# KiCad board main_panel.kicad_pcb (continued)
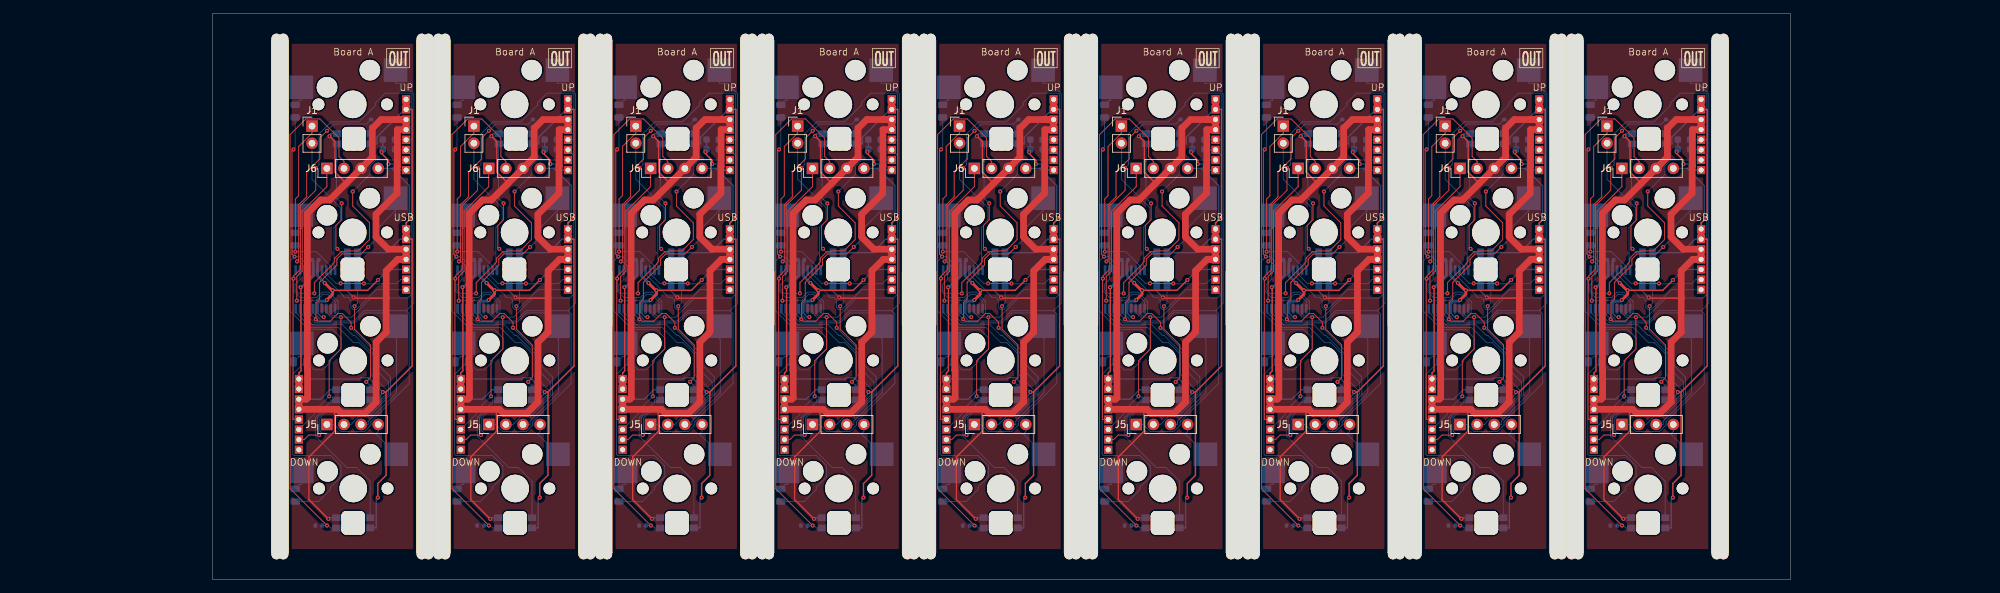
[diagram p0: board, top side]
## Routing (per net, layer and track width the routed paths; a pad name or vN(x,y) marks a point on that pad's centre or on a via; arc(x,y) is an arc through that point) (continued)
/SW2: length 493.7
  Top w0.13: 39.34,38.61 39.34,41.08 39.89,41.63 39.89,44.1 42.44,46.66 42.44,47.55 43.22,48.33 46.06,48.33 v1(47.09,49.35) ; 39.34,38.61 39.62,38.33 41.44,38.33 42.57,39.47 43.25,39.47 44.56,38.16 v1(44.56,37.36) ; 39.34,38.61 v1(39.3,38.61) ; v1(167.09,49.35) 166.06,48.33 163.22,48.33 162.44,47.55 162.44,46.66 159.88,44.1 159.88,41.63 159.34,41.08 159.34,38.61 ; v1(95.09,49.35) 94.06,48.33 91.22,48.33 90.44,47.55 90.44,46.66 87.89,44.1 87.89,41.63 87.34,41.08 87.34,38.61 ; 111.34,38.61 v1(111.3,38.61) ; 111.34,38.61 111.34,41.08 111.88,41.63 111.88,44.1 114.44,46.66 114.44,47.55 115.22,48.33 118.06,48.33 v1(119.09,49.35) ; 111.34,38.61 111.62,38.33 113.44,38.33 114.57,39.47 115.25,39.47 116.56,38.16 v1(116.56,37.36) ; 87.34,38.61 87.62,38.33 89.44,38.33 90.57,39.47 91.25,39.47 92.56,38.16 v1(92.56,37.36) ; 87.34,38.61 v1(87.3,38.61) ; 159.34,38.61 159.62,38.33 161.44,38.33 162.57,39.47 163.25,39.47 164.56,38.16 v1(164.56,37.36) ; 159.34,38.61 v1(159.3,38.61) ; 63.34,38.61 63.62,38.33 65.44,38.33 66.57,39.47 67.25,39.47 68.56,38.16 v1(68.56,37.36) ; 63.34,38.61 63.34,41.08 63.89,41.63 63.89,44.1 66.44,46.66 66.44,47.55 67.22,48.33 70.06,48.33 v1(71.09,49.35) ; 63.34,38.61 v1(63.3,38.61) ; 183.34,38.61 183.62,38.33 185.44,38.33 186.57,39.47 187.25,39.47 188.56,38.16 v1(188.56,37.36) ; 183.34,38.61 183.34,41.08 183.88,41.63 183.88,44.1 186.44,46.66 186.44,47.55 187.22,48.33 190.06,48.33 v1(191.09,49.35) ; 183.34,38.61 v1(183.3,38.61) ; 15.34,38.61 15.62,38.33 17.44,38.33 18.57,39.47 19.25,39.47 20.56,38.16 v1(20.56,37.36) ; 15.34,38.61 v1(15.3,38.61) ; 15.34,38.61 15.34,41.08 15.88,41.63 15.88,44.1 18.45,46.66 18.45,47.55 19.22,48.33 22.06,48.33 v1(23.09,49.35) ; v1(140.56,37.36) 140.56,38.16 139.25,39.47 138.57,39.47 137.44,38.33 135.62,38.33 135.34,38.61 ; v1(212.56,37.36) 212.56,38.16 211.25,39.47 210.57,39.47 209.44,38.33 207.62,38.33 207.34,38.61 ; 207.34,38.61 v1(207.3,38.61) ; 207.34,38.61 207.34,41.08 207.88,41.63 207.88,44.1 210.44,46.66 210.44,47.55 211.22,48.33 214.06,48.33 v1(215.09,49.35) ; 135.34,38.61 v1(135.3,38.61) ; 135.34,38.61 135.34,41.08 135.88,41.63 135.88,44.1 138.44,46.66 138.44,47.55 139.22,48.33 142.06,48.33 v1(143.09,49.35)
  Bottom w0.13: v1(207.3,38.61) 206.28,39.63 U1#2.7 ; SW2#2.1 123.15,54.64 123.02,54.64 120.19,51.82 120.19,50.46 v1(119.09,49.35) ; v1(111.3,38.61) 110.28,39.63 U1#5.7 ; SW2#4.1 51.14,54.64 51.02,54.64 48.19,51.82 48.19,50.46 v1(47.09,49.35) ; J5#5.2 188.55,23.01 189.71,24.18 191.14,24.18 194.4,27.43 194.4,30.05 192.39,32.06 192.39,33.53 v1(188.56,37.36) ; SW2#5.1 147.15,54.64 147.02,54.64 144.19,51.82 144.19,50.46 v1(143.09,49.35) ; U1#7.7 158.28,39.63 v1(159.3,38.61) ; J5#9.2 20.55,23.01 21.71,24.18 23.14,24.18 26.4,27.43 26.4,30.05 24.39,32.06 24.39,33.53 v1(20.56,37.36) ; v1(15.3,38.61) 14.28,39.63 U1#8.7 ; J5#7.2 68.55,23.01 69.71,24.18 71.14,24.18 74.4,27.43 74.4,30.05 72.39,32.06 72.39,33.53 v1(68.56,37.36) ; v1(87.3,38.61) 86.28,39.63 86.28,40.18 ; SW2#3.1 171.15,54.64 171.02,54.64 168.19,51.82 168.19,50.46 v1(167.09,49.35) ; v1(212.56,37.36) 216.39,33.53 216.39,32.06 218.4,30.05 218.4,27.43 215.14,24.18 213.71,24.18 212.55,23.01 J5.2 ; J5#3.2 164.55,23.01 165.71,24.18 167.14,24.18 170.4,27.43 170.4,30.05 168.39,32.06 168.39,33.53 v1(164.56,37.36) ; J5#6.2 92.55,23.01 93.71,24.18 95.14,24.18 98.4,27.43 98.4,30.05 96.39,32.06 96.39,33.53 v1(92.56,37.36) ; v1(135.3,38.61) 134.28,39.63 U1#9.7 ; v1(95.09,49.35) 96.19,50.46 96.19,51.82 99.02,54.64 99.15,54.64 SW2#8.1 ; 62.28,40.18 62.28,39.63 v1(63.3,38.61) ; v1(44.56,37.36) 48.39,33.53 48.39,32.06 50.4,30.05 50.4,27.43 47.14,24.18 45.71,24.18 44.55,23.01 J5#2.2 ; v1(215.09,49.35) 216.19,50.46 216.19,51.82 219.02,54.64 219.15,54.64 SW2#7.1 ; U1#6.7 182.28,39.63 v1(183.3,38.61) ; v1(140.56,37.36) 144.39,33.53 144.39,32.06 146.4,30.05 146.4,27.43 143.14,24.18 141.71,24.18 140.55,23.01 J5#8.2 ; 38.28,40.18 38.28,39.63 v1(39.3,38.61) ; v1(116.56,37.36) 120.39,33.53 120.39,32.06 122.4,30.05 122.4,27.43 119.14,24.18 117.71,24.18 116.55,23.01 J5#4.2 ; SW2.1 195.15,54.64 195.02,54.64 192.19,51.82 192.19,50.46 v1(191.09,49.35) ; v1(71.09,49.35) 72.19,50.46 72.19,51.82 75.02,54.64 75.14,54.64 SW2#9.1 ; SW2#6.1 27.15,54.64 27.02,54.64 24.19,51.82 24.19,50.46 v1(23.09,49.35)
/SW3: length 302.7
  Bottom w0.13: J5#7.3 71.09,23.01 71.09,23.49 75.29,27.69 75.29,35.58 75.22,35.64 SW3#4.1 73.25,39.57 70.51,39.57 69.03,38.08 63.13,38.08 61.64,39.58 U1#4.8 ; U1#9.8 133.63,39.58 135.13,38.08 141.03,38.08 142.51,39.57 145.25,39.57 SW3#9.1 147.22,35.64 147.29,35.58 147.29,27.69 143.09,23.49 143.09,23.01 J5#8.3 ; U1.8 37.64,39.58 39.13,38.08 45.03,38.08 46.51,39.57 49.25,39.57 SW3#6.1 51.22,35.64 51.29,35.58 51.29,27.69 47.09,23.49 47.09,23.01 J5#2.3 ; J5#9.3 23.09,23.01 23.09,23.49 27.29,27.69 27.29,35.58 27.23,35.64 SW3#8.1 25.25,39.57 22.51,39.57 21.03,38.08 15.13,38.08 13.63,39.58 U1#8.8 ; U1#7.8 157.63,39.58 159.13,38.08 165.03,38.08 166.51,39.57 169.25,39.57 SW3#7.1 171.22,35.64 171.29,35.58 171.29,27.69 167.09,23.49 167.09,23.01 J5#3.3 ; J5#4.3 119.09,23.01 119.09,23.49 123.29,27.69 123.29,35.58 123.22,35.64 SW3#3.1 121.25,39.57 118.51,39.57 117.03,38.08 111.13,38.08 109.63,39.58 U1#5.8 ; J5#6.3 95.09,23.01 95.09,23.49 99.29,27.69 99.29,35.58 99.22,35.64 SW3#2.1 97.25,39.57 94.51,39.57 93.03,38.08 87.13,38.08 85.64,39.58 U1#3.8 ; J5.3 215.09,23.01 215.09,23.49 219.29,27.69 219.29,35.58 219.22,35.64 SW3.1 217.25,39.57 214.51,39.57 213.03,38.08 207.13,38.08 205.63,39.58 U1#2.8 ; U1#6.8 181.63,39.58 183.13,38.08 189.03,38.08 190.51,39.57 193.25,39.57 SW3#5.1 195.22,35.64 195.29,35.58 195.29,27.69 191.09,23.49 191.09,23.01 J5#5.3
/SW4: length 438.2
  Bottom w0.13: SW4#4.1 120.22,21.6 ; 120.22,21.6 120.58,21.96 J5#4.4 ; 120.22,21.6 120.16,21.66 112.33,21.66 111.91,22.08 111.91,23.98 112.84,24.9 119.49,24.9 122.08,27.49 122.08,29.28 119.86,31.51 119.86,33.46 117.08,36.23 116.86,36.23 115.27,37.82 110.83,37.82 108.99,39.67 U1#5.9 ; U1#3.9 84.98,39.67 86.83,37.82 91.27,37.82 92.86,36.23 93.08,36.23 95.86,33.46 95.86,31.51 98.08,29.28 98.08,27.49 95.49,24.9 88.84,24.9 87.91,23.98 87.91,22.08 88.33,21.66 96.16,21.66 96.22,21.6 ; 72.22,21.6 72.58,21.96 J5#7.4 ; 72.22,21.6 72.16,21.66 64.33,21.66 63.91,22.08 63.91,23.98 64.84,24.9 71.49,24.9 74.08,27.49 74.08,29.28 71.86,31.51 71.86,33.46 69.08,36.23 68.86,36.23 67.27,37.82 62.83,37.82 60.98,39.67 U1#4.9 ; 72.22,21.6 SW4#5.1 ; SW4#6.1 48.22,21.6 ; 48.22,21.6 48.58,21.96 J5#2.4 ; 48.22,21.6 48.16,21.66 40.33,21.66 39.91,22.08 39.91,23.98 40.84,24.9 47.49,24.9 50.08,27.49 50.08,29.28 47.86,31.51 47.86,33.46 45.08,36.23 44.86,36.23 43.27,37.82 38.83,37.82 36.98,39.67 U1.9 ; 144.22,21.6 144.58,21.96 J5#8.4 ; 144.22,21.6 144.16,21.66 136.33,21.66 135.91,22.08 135.91,23.98 136.84,24.9 143.49,24.9 146.08,27.49 146.08,29.28 143.86,31.51 143.86,33.46 141.08,36.23 140.86,36.23 139.27,37.82 134.83,37.82 132.99,39.67 U1#9.9 ; 144.22,21.6 SW4#2.1 ; J5#6.4 96.58,21.96 96.22,21.6 ; 96.22,21.6 SW4#3.1 ; SW4.1 216.22,21.6 ; 216.22,21.6 216.58,21.96 J5.4 ; 216.22,21.6 216.16,21.66 208.33,21.66 207.91,22.08 207.91,23.98 208.84,24.9 215.49,24.9 218.08,27.49 218.08,29.28 215.86,31.51 215.86,33.46 213.08,36.23 212.86,36.23 211.27,37.82 206.83,37.82 204.99,39.67 U1#2.9 ; J5#9.4 24.58,21.96 24.22,21.6 ; U1#6.9 180.99,39.67 182.83,37.82 187.27,37.82 188.86,36.23 189.08,36.23 191.86,33.46 191.86,31.51 194.08,29.28 194.08,27.49 191.49,24.9 184.84,24.9 183.91,23.98 183.91,22.08 184.33,21.66 192.16,21.66 192.22,21.6 ; U1#7.9 156.99,39.67 158.83,37.82 163.27,37.82 164.86,36.23 165.08,36.23 167.86,33.46 167.86,31.51 170.08,29.28 170.08,27.49 167.49,24.9 160.84,24.9 159.91,23.98 159.91,22.08 160.33,21.66 168.16,21.66 168.22,21.6 ; 192.22,21.6 SW4#9.1 ; 192.22,21.6 192.58,21.96 J5#5.4 ; U1#8.9 12.98,39.67 14.83,37.82 19.27,37.82 20.86,36.23 21.08,36.23 23.86,33.46 23.86,31.51 26.08,29.28 26.08,27.49 23.49,24.9 16.84,24.9 15.91,23.98 15.91,22.08 16.33,21.66 24.16,21.66 24.22,21.6 ; SW4#7.1 24.22,21.6 ; SW4#8.1 168.22,21.6 ; 168.22,21.6 168.58,21.96 J5#3.4
/SWCLK: length 189.4
  Bottom w0.13: J1#4.2 182.76,59.4 186.96,55.19 186.96,53.2 186.01,52.25 186.01,46.08 U1#6.20 ; U1#8.20 18.01,46.08 18.01,52.25 18.96,53.2 18.96,55.19 14.76,59.4 J1#3.2 ; U1#7.20 162.01,46.08 162.01,52.25 162.96,53.2 162.96,55.19 158.76,59.4 J1#2.2 ; J1.2 38.76,59.4 42.96,55.19 42.96,53.2 42.01,52.25 42.01,46.08 U1.20 ; J1#9.2 62.76,59.4 66.96,55.19 66.96,53.2 66.01,52.25 66.01,46.08 U1#4.20 ; U1#5.20 114.01,46.08 114.01,52.25 114.96,53.2 114.96,55.19 110.76,59.4 J1#8.2 ; U1#9.20 138.01,46.08 138.01,52.25 138.96,53.2 138.96,55.19 134.76,59.4 J1#7.2 ; U1#2.20 210.01,46.08 210.01,52.25 210.96,53.2 210.96,55.19 206.76,59.4 J1#6.2 ; J1#5.2 86.76,59.4 90.96,55.19 90.96,53.2 90.01,52.25 90.01,46.08 U1#3.20
/SWDIO: length 237.6
  Top w0.13: v1(84.29,48.65) 84.29,56.47 84.78,56.96 84.78,64.26 86.76,66.24 J1#5.1 ; J1#6.1 206.76,66.24 204.78,64.26 204.78,56.96 204.29,56.47 v1(204.29,48.65) ; J1#9.1 62.76,66.24 60.78,64.26 60.78,56.96 60.29,56.47 v1(60.29,48.65) ; J1.1 38.76,66.24 36.78,64.26 36.78,56.96 36.29,56.47 v1(36.29,48.65) ; J1#7.1 134.76,66.24 132.78,64.26 132.78,56.96 132.29,56.47 v1(132.29,48.65) ; J1#8.1 110.76,66.24 108.78,64.26 108.78,56.96 108.29,56.47 v1(108.29,48.65) ; v1(12.29,48.65) 12.29,56.47 12.78,56.96 12.78,64.26 14.76,66.24 J1#3.1 ; v1(156.29,48.65) 156.29,56.47 156.78,56.96 156.78,64.26 158.76,66.24 J1#2.1 ; v1(180.29,48.65) 180.29,56.47 180.78,56.96 180.78,64.26 182.76,66.24 J1#4.1
  Bottom w0.13: U1#5.19 113.53,46.52 111.4,48.65 v1(108.29,48.65) ; U1.19 41.53,46.52 39.4,48.65 v1(36.29,48.65) ; v1(60.29,48.65) 63.4,48.65 65.53,46.52 U1#4.19 ; U1#6.19 185.53,46.52 183.4,48.65 v1(180.29,48.65) ; U1#3.19 89.53,46.52 87.4,48.65 v1(84.29,48.65) ; U1#9.19 137.53,46.52 135.4,48.65 v1(132.29,48.65) ; v1(12.29,48.65) 15.4,48.65 17.53,46.52 U1#8.19 ; U1#7.19 161.53,46.52 159.4,48.65 v1(156.29,48.65) ; U1#2.19 209.53,46.52 207.4,48.65 v1(204.29,48.65)
Net-(D1-DIN): length 9.9
  Bottom w0.13: D1#6.4 47.46,67.2 R1#9.2 ; R1.2 215.46,67.2 D1#8.4 ; D1#9.4 23.46,67.2 R1#4.2 ; R1#7.2 119.46,67.2 D1#7.4 ; R1#6.2 143.46,67.2 D1#5.4 ; R1#3.2 95.46,67.2 D1#3.4 ; D1.4 191.46,67.2 R1#2.2 ; R1#5.2 167.46,67.2 D1#4.4 ; D1#2.4 71.46,67.2 R1#8.2
Net-(D1-DOUT): length 162.6
  Top w0.13: v1(67.16,55.82) 67.16,53.4 66.31,52.54 66.31,49.29 v1(66.52,49.07) ; v1(211.16,55.82) 211.16,53.4 210.31,52.54 210.31,49.29 v1(210.52,49.07) ; v1(163.16,55.82) 163.16,53.4 162.31,52.54 162.31,49.29 v1(162.52,49.07) ; v1(114.52,49.07) 114.31,49.29 114.31,52.54 115.16,53.4 v1(115.16,55.82) ; v1(90.52,49.07) 90.31,49.29 90.31,52.54 91.16,53.4 v1(91.16,55.82) ; v1(187.16,55.82) 187.16,53.4 186.31,52.54 186.31,49.29 v1(186.52,49.07) ; v1(18.52,49.07) 18.31,49.29 18.31,52.54 19.16,53.4 v1(19.16,55.82) ; v1(43.16,55.82) 43.16,53.4 42.31,52.54 42.31,49.29 v1(42.52,49.07) ; v1(138.52,49.07) 138.31,49.29 138.31,52.54 139.16,53.4 v1(139.16,55.82)
  Bottom w0.13: v1(138.52,49.07) 139.08,48.51 D2#5.4 ; D2#8.4 187.08,48.51 v1(186.52,49.07) ; D2.4 211.08,48.51 v1(210.52,49.07) ; v1(187.16,55.82) 186.4,56.59 186.4,63.89 186.46,63.95 D1.2 ; v1(19.16,55.82) 18.4,56.59 18.4,63.89 18.46,63.95 D1#9.2 ; v1(114.52,49.07) 115.08,48.51 D2#7.4 ; v1(91.16,55.82) 90.4,56.59 90.4,63.89 90.46,63.95 D1#3.2 ; v1(66.52,49.07) 67.08,48.51 D2#9.4 ; v1(115.16,55.82) 114.4,56.59 114.4,63.89 114.46,63.95 D1#7.2 ; D2#2.4 19.08,48.51 v1(18.52,49.07) ; D2#4.4 43.08,48.51 v1(42.52,49.07) ; v1(90.52,49.07) 91.08,48.51 D2#3.4 ; v1(211.16,55.82) 210.4,56.59 210.4,63.89 210.46,63.95 D1#8.2 ; D1#2.2 66.46,63.95 66.4,63.89 66.4,56.59 v1(67.16,55.82) ; D1#6.2 42.46,63.95 42.4,63.89 42.4,56.59 v1(43.16,55.82) ; D1#5.2 138.46,63.95 138.4,63.89 138.4,56.59 v1(139.16,55.82) ; v1(163.16,55.82) 162.4,56.59 162.4,63.89 162.46,63.95 D1#4.2 ; D2#6.4 163.08,48.51 v1(162.52,49.07)
Net-(D2-DOUT): length 153.4
  Top w0.13: v1(70.8,29.34) 71.42,29.95 71.42,34.8 69.06,37.16 v1(69.06,40.56) ; v1(165.06,40.56) 165.06,37.16 167.42,34.8 167.42,29.95 v1(166.8,29.34) ; v1(142.8,29.34) 143.42,29.95 143.42,34.8 141.06,37.16 v1(141.06,40.56) ; v1(189.06,40.56) 189.06,37.16 191.42,34.8 191.42,29.95 v1(190.8,29.34) ; v1(46.8,29.34) 47.42,29.95 47.42,34.8 45.06,37.16 v1(45.06,40.56) ; v1(118.8,29.34) 119.42,29.95 119.42,34.8 117.06,37.16 v1(117.06,40.56) ; v1(94.8,29.34) 95.42,29.95 95.42,34.8 93.06,37.16 v1(93.06,40.56) ; v1(213.06,40.56) 213.06,37.16 215.42,34.8 215.42,29.95 v1(214.8,29.34) ; v1(21.06,40.56) 21.06,37.16 23.42,34.8 23.42,29.95 v1(22.8,29.34)
  Bottom w0.13: D2#3.2 93.52,41.02 v1(93.06,40.56) ; D3#9.4 119.36,28.87 119.28,28.87 v1(118.8,29.34) ; v1(189.06,40.56) 189.52,41.02 D2#8.2 ; D3#5.4 47.36,28.87 47.28,28.87 v1(46.8,29.34) ; D2#5.2 141.52,41.02 v1(141.06,40.56) ; D2#4.2 45.52,41.02 v1(45.06,40.56) ; D2#9.2 69.52,41.02 v1(69.06,40.56) ; D3.4 191.36,28.87 191.28,28.87 v1(190.8,29.34) ; v1(213.06,40.56) 213.52,41.02 D2.2 ; D2#2.2 21.52,41.02 v1(21.06,40.56) ; v1(165.06,40.56) 165.52,41.02 D2#6.2 ; v1(94.8,29.34) 95.28,28.87 95.36,28.87 D3#4.4 ; v1(117.06,40.56) 117.52,41.02 D2#7.2 ; v1(142.8,29.34) 143.28,28.87 143.36,28.87 D3#7.4 ; D3#2.4 71.36,28.87 71.28,28.87 v1(70.8,29.34) ; D3#3.4 167.36,28.87 167.28,28.87 v1(166.8,29.34) ; D3#6.4 23.36,28.87 23.28,28.87 v1(22.8,29.34) ; D3#8.4 215.36,28.87 215.28,28.87 v1(214.8,29.34)
Net-(D3-DOUT): length 211
  Bottom w0.13: D3#8.2 209.54,26.65 209.54,26.34 207.27,24.07 207.27,21.26 211.92,16.62 213.35,16.62 215.37,14.6 215.37,9.88 215.36,9.87 D4#2.4 ; D4.4 95.36,9.87 95.37,9.88 95.37,14.6 93.35,16.62 91.92,16.62 87.27,21.26 87.27,24.07 89.54,26.34 89.54,26.65 D3#4.2 ; D4#6.4 23.36,9.87 23.37,9.88 23.37,14.6 21.35,16.62 19.92,16.62 15.27,21.26 15.27,24.07 17.54,26.34 17.54,26.65 D3#6.2 ; D4#4.4 119.36,9.87 119.37,9.88 119.37,14.6 117.35,16.62 115.92,16.62 111.27,21.26 111.27,24.07 113.54,26.34 113.54,26.65 D3#9.2 ; D3#7.2 137.54,26.65 137.54,26.34 135.27,24.07 135.27,21.26 139.92,16.62 141.35,16.62 143.37,14.6 143.37,9.88 143.36,9.87 D4#5.4 ; D3#2.2 65.54,26.65 65.54,26.34 63.27,24.07 63.27,21.26 67.92,16.62 69.35,16.62 71.37,14.6 71.37,9.88 71.36,9.87 D4#3.4 ; D4#7.4 47.36,9.87 47.37,9.88 47.37,14.6 45.35,16.62 43.92,16.62 39.27,21.26 39.27,24.07 41.54,26.34 41.54,26.65 D3#5.2 ; D4#9.4 191.36,9.87 191.37,9.88 191.37,14.6 189.35,16.62 187.92,16.62 183.27,21.26 183.27,24.07 185.54,26.34 185.54,26.65 D3.2 ; D4#8.4 167.36,9.87 167.37,9.88 167.37,14.6 165.35,16.62 163.92,16.62 159.27,21.26 159.27,24.07 161.54,26.34 161.54,26.65 D3#3.2
Net-(D5-A): length 28.2
  Bottom w0.13: D5#6.2 204.92,71.1 205.18,71.1 205.18,73.05 ; 157.18,73.05 157.18,71.1 156.92,71.1 D5#2.2 ; SW1#6.2 85.17,71.1 84.92,71.1 D5#8.2 ; SW1#5.2 13.17,71.1 12.92,71.1 D5#9.2 ; D5#5.2 108.92,71.1 109.18,71.1 109.18,73.05 ; 133.18,73.05 133.18,71.1 132.92,71.1 D5#7.2 ; SW1#4.2 37.17,71.1 36.92,71.1 D5.2 ; D5#3.2 180.92,71.1 181.18,71.1 181.18,73.05 ; SW1#3.2 61.17,71.1 60.92,71.1 D5#4.2
Net-(D6-A): length 28.2
  Bottom w0.13: D6#2.2 180.92,52.1 181.18,52.1 181.18,54.05 ; 133.18,54.05 133.18,52.1 132.92,52.1 D6#5.2 ; D6#3.2 204.92,52.1 205.18,52.1 205.18,54.05 ; D6#4.2 12.92,52.1 13.17,52.1 SW2#6.2 ; SW2#9.2 61.17,52.1 60.92,52.1 D6#6.2 ; 157.18,54.05 157.18,52.1 156.92,52.1 D6.2 ; SW2#4.2 37.17,52.1 36.92,52.1 D6#7.2 ; D6#9.2 108.92,52.1 109.18,52.1 109.18,54.05 ; D6#8.2 84.92,52.1 85.17,52.1 SW2#8.2
Net-(D7-A): length 31.6
  Bottom w0.13: D7#7.2 132.82,33.1 133.25,33.1 SW3#9.2 ; SW3#7.2 157.25,33.1 156.82,33.1 D7#6.2 ; SW3#8.2 13.26,33.1 12.82,33.1 D7#2.2 ; D7#3.2 84.82,33.1 85.25,33.1 SW3#2.2 ; D7#5.2 204.82,33.1 205.25,33.1 SW3.2 ; D7#9.2 36.82,33.1 37.25,33.1 SW3#6.2 ; SW3#3.2 109.25,33.1 108.82,33.1 D7#8.2 ; D7#4.2 60.82,33.1 61.25,33.1 SW3#4.2 ; D7.2 180.82,33.1 181.25,33.1 SW3#5.2
Net-(D8-A): length 28.9
  Bottom w0.13: SW4#8.2 157.25,14.1 156.92,14.1 D8#9.2 ; D8#8.2 132.92,14.1 133.25,14.1 SW4#2.2 ; SW4#6.2 37.25,14.1 36.92,14.1 D8#6.2 ; SW4#3.2 85.25,14.1 84.92,14.1 D8#3.2 ; D8#4.2 12.92,14.1 13.26,14.1 SW4#7.2 ; D8#2.2 108.92,14.1 109.25,14.1 SW4#4.2 ; SW4#5.2 61.25,14.1 60.92,14.1 D8#7.2 ; SW4#9.2 181.25,14.1 180.92,14.1 D8#5.2 ; D8.2 204.92,14.1 205.25,14.1 SW4.2

## Copper pours and planes (outline as drawn; the poured copper is in the pictures)
+5V on Top, In1.Cu: 131.76,79.51 131.76,4.51 149.76,4.51 149.76,79.51
+5V on Top, In1.Cu: 179.76,79.51 179.76,4.51 197.76,4.51 197.76,79.51
+5V on Top, In1.Cu: 59.76,79.51 59.76,4.51 77.76,4.51 77.76,79.51
+5V on Top, In1.Cu: 155.76,79.51 155.76,4.51 173.76,4.51 173.76,79.51
+5V on Top, In1.Cu: 107.76,79.51 107.76,4.51 125.76,4.51 125.76,79.51
+5V on Top, In1.Cu: 11.76,79.51 11.76,4.51 29.76,4.51 29.76,79.51
+5V on Top, In1.Cu: 83.76,79.51 83.76,4.51 101.76,4.51 101.76,79.51
+5V on Top, In1.Cu: 35.76,79.51 35.76,4.51 53.76,4.51 53.76,79.51
+5V on Top, In1.Cu: 203.76,79.51 203.76,4.51 221.76,4.51 221.76,79.51
GND on Bottom, In2.Cu: 11.76,79.51 11.76,4.51 29.76,4.51 29.76,79.51
GND on Bottom, In2.Cu: 59.76,79.51 59.76,4.51 77.76,4.51 77.76,79.51
GND on Bottom, In2.Cu: 107.76,79.51 107.76,4.51 125.76,4.51 125.76,79.51
GND on Bottom, In2.Cu: 179.76,79.51 179.76,4.51 197.76,4.51 197.76,79.51
GND on Bottom, In2.Cu: 83.76,79.51 83.76,4.51 101.76,4.51 101.76,79.51
GND on Bottom, In2.Cu: 155.76,79.51 155.76,4.51 173.76,4.51 173.76,79.51
GND on Bottom, In2.Cu: 203.76,79.51 203.76,4.51 221.76,4.51 221.76,79.51
GND on Bottom, In2.Cu: 35.76,79.51 35.76,4.51 53.76,4.51 53.76,79.51
GND on Bottom, In2.Cu: 131.76,79.51 131.76,4.51 149.76,4.51 149.76,79.51

## Text on the board
B.Silkscreen: S | P | IN
F.Silkscreen: DOWN | Board A | USB | UP | OUT
User.1: v-cut
